# KiCad board EVT-PCB.kicad_pcb (continued)
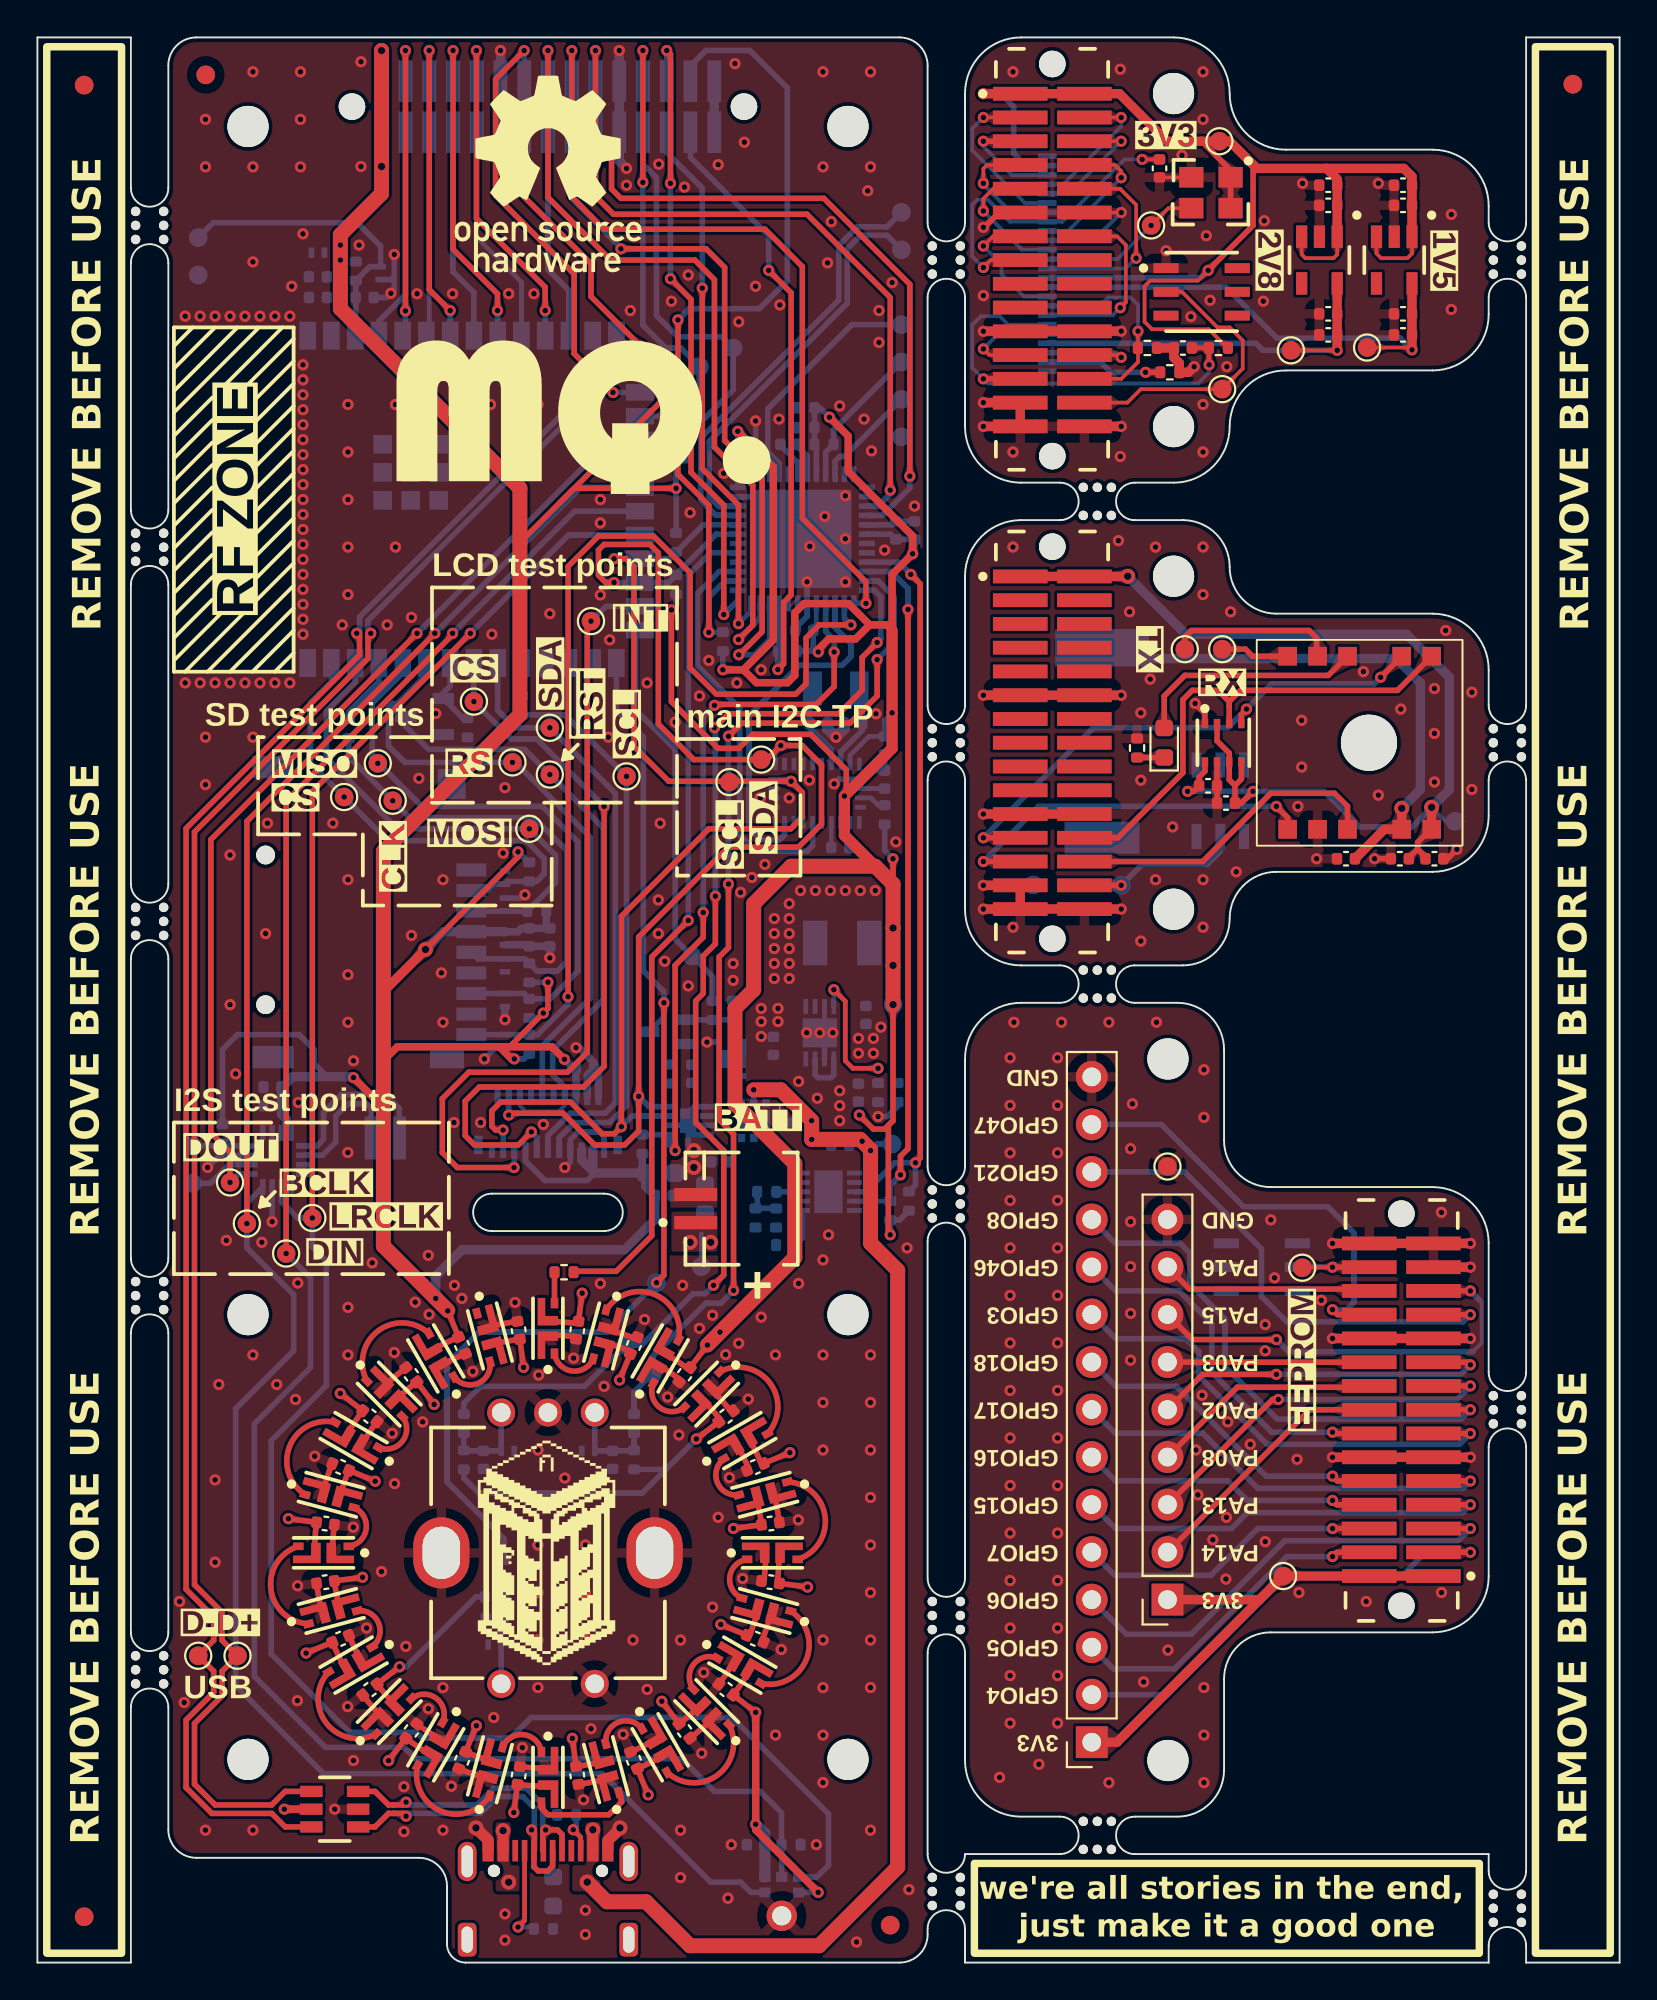
[diagram p0: board, top side]
## Routing (per net, layer and track width the routed paths; a pad name or vN(x,y) marks a point on that pad's centre or on a via; arc(x,y) is an arc through that point) (continued)
GND: length 192.6
  Top w0.2: 50.56,82.11 50.55,82.1 ; X1101.2 61.69,95.42 C1101.2 ; 51.34,93.54 J1101.11 ; J1101.12 v2(57.95,93.54) ; 58,93.55 57.99,93.54
  Top w0.3: 15.18,18.91 arc(15.04,19.59) C521.2 ; 15.31,25.37 arc(15.52,26.03) C523.2 ; 15.78,21.65 arc(15.8,22.53) C522.2 ; 17.25,27.53 arc(17.68,28.24) C524.2 ; 17.45,15.93 arc(17.02,16.69) C520.2 ; 18.3,13.25 arc(17.83,13.77) C519.2 ; 18.65,30.9 arc(19.17,31.37) C525.2 ; 21.33,31.75 arc(22.09,32.18) C526.2 ; 21.75,11.8 arc(21,12.25) C518.2 ; 23.83,9.91 arc(23.17,10.12) C517.2 ; 24.31,34.02 arc(24.99,34.16) C527.2 ; D501.1 arc(27.94,33.52) 28.82,33.44 ; 27.55,10.38 arc(26.67,10.4) C516.2 ; 30.29,9.78 arc(29.61,9.64) C515.2 ; D502.1 arc(31.39,33.57) 32.03,33.32 ; D503.1 arc(33.66,31.65) 34.39,31.14 ; 33.27,12.05 arc(32.51,11.62) C514.2 ; 35.95,12.9 arc(35.43,12.43) C513.2 ; D504.1 arc(36.68,29.96) 37.11,29.43 ; D505.1 arc(37.69,27.16) 38.06,26.36 ; 37.4,16.35 arc(36.95,15.6) C512.2 ; D507.1 arc(38.92,21.26) 38.84,20.38 ; D508.1 arc(38.97,17.81) 38.72,17.17 ; 39.39,24.99 arc(39.55,24.26) C509.2 ; 62.42,66.23 62.42,66.78 v2(61.9,67.3) ; v2(71.5,59) C1202.2 ; v2(75.9,59.5) 75.4,59 C1201.2 ; 68.4,60.58 68.4,60.45 ; v2(50.58,92.75) 50.63,92.75 51.42,93.54 J1101.11 ; 63.07,64.18 C1206.2 ; v2(50.58,87.19) J1101.21
  Top w0.5: J1201.22 J1201.21 v2(50.58,61.39) ; v2(61.85,85.3) 61.55,85 R1103.1 61.06,85.49 60.77,85.78 C1106.2 R1102.1 ; J1101.30 57.94,82.11 ; 57.94,82.11 v2(57.95,82.11) ; 57.94,82.11 57.95,82.1 ; v2(76.62,33.36) v2(69.25,33.36) ; v2(50.58,83.38) J1101.27 J1101.29 v2(50.58,82.11) ; v2(76.62,27.01) v2(69.25,27.01) ; J1201.29 J1201.27 v2(50.58,57.58) ; v2(50.58,87.19) 50.59,87.2 v2(57.95,87.2) ; v2(76.62,38.44) v2(69.25,38.44) ; v2(57.95,67.74) v2(50.58,67.74) ; v2(50.58,56.31) v2(57.95,56.31) ; J1303.27 v2(76.62,37.17) ; 57.94,56.31 57.95,56.3
  Top w0.6: J301.A1_B12 24.1,6.55 v1(23.45,7.2) ; v1(31.15,7.2) 31.15,7.16 30.5,6.51 J301.B1_A12
  Bottom w0.2: U1102.15 56.46,92.05 v2(57.95,93.54)
  Bottom w0.254: v2(41.83,49.7) 42.08,49.95 U302.3 ; 34.55,44.75 U401.9
  Bottom w0.3: 40.67,71.2 40.67,71.47 41.15,71.95 IC501.18 v2(41.15,73.8) ; C529.2 38.41,82.39 v2(38.4,82.4) ; 19.08,90.1 19.08,89.41 v2(18.9,89.22) 18.67,89 C203.2 ; 19.08,90.1 v2(19.08,91.3) ; 19.08,90.1 18.93,89.95 D202.2 ; U401.1 35.12,45.75 34.8,45.43 U401.9 ; v1(35.1,43.4) 34.8,43.7 U401.9 ; v2(28.2,42.5) 28.5,42.8 J701.7 28.5,43.99 28.91,44.4 30.05,44.4 30.3,44.15 J701.1 ; D902.2 24.5,48.9 v2(23.9,48.3) ; IC501.5 45.72,76.85 C502.2 46.85,77.03 ; IC501.35 38.65,78.35 IC501.49 ; v2(42.6,63) 42.85,63.25 U801.2 44.18,63.25 44.64,63.71 C803.2 C802.2 ; IC501.42 40.65,80.18 39.73,81.1 C528.2 ; U1001.3 9.75,43.15 v2(9.1,42.5) ; U401.4 35.07,44.25 34.8,44.53 U401.9 ; U401.6 34.55,44.75 ; v2(26.07,57.07) 25.89,56.9 D904.2 ; v2(12.55,39.6) U1001.15 ; Q301.S1 36.44,49.2 v2(35.8,49.2) ; v2(44.95,45.22) 45.45,45.22 45.95,45.72 45.95,45.99 ; 42.08,48.3 42.08,49.45 v2(41.83,49.7)
  Bottom w0.4: v2(28.8,48.9) 28.97,48.9 29.76,48.11 C703.2 ; J701.4 29.4,47.44 C703.2 ; 25,51.01 v2(25,50.4) ; J701.2 30,47.56 C703.2 ; v2(27.4,53.7) C901.2 C902.2 26.22,54.4 D901.2
  Bottom w0.5: v2(24.76,102.2) J101.12 J101.11 ; v2(31.5,95.9) 31.11,96.29 J101.21 J101.22 v2(31.11,102.2) ; J101.30 J101.29
  Bottom w0.6: 42.25,66.3 42.25,65.95 v2(42.7,65.5) 43.14,65.95 43.14,66.3
  vias: v1(35.1,42.5) v2(7.6,19.3) v2(7.9,88) v2(7.9,68.4) v2(7.85,13.9) v2(8.7,88) v2(8.7,68.4) v2(8.98,98.52) v2(8.98,95.98) v2(8.98,65.5) v2(8.98,62.96) v2(8.98,7.08) v2(9.5,88) v2(9.5,68.4) v2(9.5,25.8) v2(9.5,21.4) v2(9.7,30.9) v2(10.1,38.6) v2(10.3,88) v2(10.3,68.4) v2(10.3,59.2) v2(10.3,51.2) v2(10.6,47.5) v2(11.1,88) v2(11.1,68.4) v2(11.52,101.06) v2(11.52,95.98) v2(11.52,90.9) v2(11.52,65.5) v2(11.52,32.48) v2(11.52,7.08) v2(11.9,88) v2(11.9,68.4) v2(12,38.5) v2(12.2,55) v2(12.3,60.9) v2(12.7,88) v2(12.7,68.4) v2(12.8,30.9) v2(13.5,88) v2(13.5,68.4) v2(13.6,89.6) v2(13.8,30.1) v2(13.95,45.97) v2(13.92,36.32) v2(13.92,20.14) v2(13.9,14) v2(14.06,101.06) v2(14.06,98.52) v2(14.06,95.98) v2(14.2,92.4) v2(14.2,85.4) v2(14.2,84.6) v2(14.2,83.8) v2(14.2,83) v2(14.2,82.2) v2(14.2,81.4) v2(14.2,80.6) v2(14.2,79.8) v2(14.2,79) v2(14.2,78.2) v2(14.2,77.4) v2(14.2,76.6) v2(14.2,75.8) v2(14.2,75) v2(14.2,74.2) v2(14.2,73.4) v2(14.2,72.6) v2(14.2,71.8) v2(14.2,71) v2(14.83,27.07) v2(15.8,60.9) v2(15.9,8.2) v2(16.3,71.5) v2(16.6,83.28) v2(16.6,80.74) v2(16.6,78.2) v2(16.6,75.66) v2(16.6,73.12) v2(16.6,57.88) v2(16.6,52.8) v2(16.6,50.26) v2(16.6,43.3) v2(16.6,35.02) v2(16.6,32.48) v2(16.59,13.68) v2(16.9,48.2) v2(16.89,23.27) v2(16.9,10.8) v2(17.2,91.8) v2(17.3,101.6) v2(17.3,96) v2(17.6,17.88) v2(17.9,37.4) v2(18.4,20.9) v2(18.7,71.5) v2(18.97,28.29) v2(19.14,83.28) v2(19.14,75.66) v2(19.08,32.61) v2(19.1,25.6) v2(19.6,9.4) v2(19.6,7) v2(19.7,16.9) v2(20,71.9) v2(20,54.9) v2(20.2,35.3) v2(20.3,89.2) v2(20.4,63.3) v2(20.6,28.9) v2(20.9,37.8) v2(20.94,34.65) v2(20.91,13.57) v2(21.3,66.76) v2(21.6,52.9) v2(21.69,57.88) v2(21.69,50.26) v2(21.69,14.7) v2(21.69,7.08) v2(22.13,9.43) v2(22.2,89.2) v2(22.28,44.9) v2(22.3,36.2) v2(22.7,35.5) v2(23.2,79.65) v2(23.28,31.6) v2(23.7,44.9) v2(24.22,83.28) v2(24.3,71) v2(24.4,13.1) v2(24.9,59.3) v2(25,62.8) v2(25,2.6) v2(25,1.2) v2(25.2,95.9) v2(25.2,94.9) v2(25.2,89.2) v2(25.54,35.28) v2(25.93,11.49) v2(26.55,89.2) v2(26.76,83.28) v2(26.8,31.4) v2(26.76,27.4) v2(26.76,22.32) v2(26.76,19.78) v2(26.76,17.24) v2(26.76,14.7) v2(27.05,44.8) v2(27.4,72.1) v2(28.2,25.9) v2(28.67,32.31) v2(29.2,95.3) v2(29.2,8.7) v2(29.31,22.32) v2(29.31,19.78) v2(29.31,17.24) v2(29.3,2.8) v2(29.3,1.5) v2(29.6,12.5) v2(30.1,78.2) v2(30.1,76.95) v2(30.1,73.1) v2(30.1,36.3) v2(30.3,30.8) v2(30.5,79.5) v2(30.52,65.5) v2(30.6,70.7) v2(31.32,12.2) v2(31.5,95) v2(31.7,88.3) v2(31.84,17.24) v2(32.47,34.37) v2(32.6,68.4) v2(32.6,14.6) v2(33.22,96.12) v2(33.2,56.8) v2(33.2,55) v2(33.3,60.9) v2(33.5,79.9) v2(33.54,53.52) v2(33.6,84.8) v2(33.7,30.23) v2(33.9,88.8) v2(34.1,66.3) v2(34.3,28.2) v2(34.38,17.24) v2(34.38,7.08) v2(34.38,4.54) v2(34.5,36.2) v2(34.6,94.9) v2(34.8,90.2) v2(34.8,52.2) v2(34.9,77.5) v2(35.4,67.7) v2(35.4,33.9) v2(35.52,11.19) v2(35.63,15.51) v2(35.9,69.6) v2(36.1,34.6) v2(36.1,19) v2(36.4,96.1) v2(36.4,23.8) v2(36.7,79.6) v2(36.8,32.5) v2(36.92,3.44) v2(37,25.92) v2(37.1,6.3) v2(37.2,53.4) v2(37.2,52.5) v2(37.3,101.5) v2(37.4,68.4) v2(37.5,87.7) v2(37.5,33.1) v2(37.6,57.2) v2(37.71,20.53) v2(37.8,97.3) v2(38.01,30.12) v2(38.2,58) v2(38.4,89.6) v2(38.7,69.1) v2(38.65,62.25) v2(38.7,51) v2(38.7,50.3) v2(38.7,49.5) v2(38.7,34.5) v2(38.9,58.7) v2(39.4,55.8) v2(39.4,55) v2(39.4,54.2) v2(39.4,53.4) v2(39.4,52.6) v2(39.47,32.48) v2(39.47,12.16) v2(39.6,51) v2(39.6,50.3) v2(39.7,88.6) v2(39.65,82.5) v2(39.77,16.73) v2(40.2,62.25) v2(40.2,56.6) v2(40.2,55.8) v2(40.2,55) v2(40.2,54.2) v2(40.2,53.4) v2(40.2,52.6) v2(40.7,47.1) v2(40.7,36.3) v2(40.68,23.66) v2(40.8,57.3) v2(41.13,49.7) v2(41.3,75.7) v2(41.28,63.2) v2(41.6,57.3) v2(41.7,46.2) v2(41.65,6.3) v2(42,101.06) v2(42,95.98) v2(42,37.56) v2(42,32.48) v2(42,29.94) v2(42,27.4) v2(42,17.24) v2(42,14.7) v2(42,12.16) v2(42,9.62) v2(42.1,77.3) v2(42.25,90.85) v2(42.3,38.9) v2(42.45,93.05) v2(42.4,57.3) v2(42.53,49.7) v2(42.9,83.2) v2(42.9,46.6) v2(42.9,45.8) v2(42.9,45) v2(43.2,78.4) v2(43.2,76.1) v2(43.2,73.8) v2(43.2,57.3) v2(43.8,1.1) v2(43.9,49.4) v2(43.9,48.6) v2(44,57.3) v2(44.2,82.5) v2(44.4,94.7) v2(44.54,101.06) v2(44.54,95.98) v2(44.54,32.48) v2(44.54,29.94) v2(44.54,27.4) v2(44.54,24.86) v2(44.54,22.32) v2(44.54,19.78) v2(44.54,17.24) v2(44.54,14.7) v2(44.54,7.08) v2(44.6,80.8) v2(44.7,49.4) v2(44.7,48.6) v2(44.84,66.75) v2(44.8,57.3) v2(45,88.3) v2(45,86.6) v2(45.1,50) v2(45.3,75.5) v2(45.7,89.8) v2(45.9,59.9) v2(46.5,38.2) v2(46.6,3.9) v2(46.9,77.85) v2(50.58,89.1) v2(51.45,9.9) v2(52.01,48.36) v2(52.01,45.82) v2(52.01,43.28) v2(52.01,40.74) v2(52.01,38.2) v2(52.01,35.66) v2(52.01,33.12) v2(52.01,30.58) v2(52.01,28.04) v2(52.01,25.5) v2(52.01,22.96) v2(52.01,20.42) v2(52.01,17.88) v2(52.01,15.34) v2(52.01,12.8) v2(52.16,101.06) v2(52.16,80.74) v2(52.16,75.66) v2(52.16,55.34) v2(52.22,50.26) v2(53.55,10.6) v2(54.55,48.36) v2(54.55,45.82) v2(54.55,43.28) v2(54.55,40.74) v2(54.55,38.2) v2(54.55,35.66) v2(54.55,33.12) v2(54.55,30.58) v2(54.55,28.04) v2(54.55,25.5) v2(54.55,22.96) v2(54.55,20.42) v2(54.55,17.88) v2(54.55,15.34) v2(54.55,12.8) v2(54.75,50.26) v2(57.29,50.26) v2(57.29,9.62) v2(57.8,76) v2(57.9,101.2) v2(57.9,80.5) v2(58.4,72.2) v2(58.45,43.5) v2(58.45,39.6) v2(58.45,37.2) v2(58.45,34.7) v2(58.45,32.2) v2(58.55,45.9) v2(59,66.8) v2(59,63.2) v2(59,54.6) v2(59.15,15) v2(59.5,68.6) v2(59.78,75.66) v2(59.78,57.88) v2(59.84,50.26) v2(60.35,91.5) v2(60.45,16.7) v2(60.7,60.7) v2(61.2,96.6) v2(61.68,87.98) v2(61.95,27.4) v2(62.05,25) v2(62.32,101.06) v2(62.32,98.52) v2(62.32,83.28) v2(62.32,80.74) v2(62.32,75.66) v2(62.32,73.12) v2(62.32,57.88) v2(62.32,55.34) v2(62.28,30.33) v2(62.38,47.72) v2(62.38,45.18) v2(62.38,14.7) v2(62.38,12.16) v2(62.38,9.62) v2(62.5,92.3) v2(62.7,88.85) v2(62.85,22.6) v2(63.55,20.5) v2(63.6,85.3) v2(63.58,23.8) v2(63.65,28.9) v2(63.8,72.2) v2(64.1,58.3) v2(64.85,27.7) v2(65.55,88.8) v2(65.6,93.1) v2(65.65,34.1) v2(65.65,32.7) v2(65.65,22.5) v2(65.95,39.7) v2(66.15,36.6) v2(67.35,26.9) v2(67.4,61.8) v2(67.45,19.78) v2(67.6,66.4) v2(67.6,63.9) v2(67.65,95.1) v2(68.4,59) v2(68.65,35.4) v2(70.9,69) v2(71.05,19.3) v2(71.7,95.1) v2(71.7,62.4) v2(72.9,67) v2(74.7,68.1) v2(74.7,65.7) v2(74.7,63.1) v2(75.07,40.1) v2(75.07,19.78) v2(75.3,71.2) v2(75.6,93.44) v2(75.6,88.36) v2(76.7,67.9) v2(76.7,62.7)
GNDA: length 6.3
  Top w0.3: R1103.2 v2(59.25,85)
  Bottom w0.3: U1102.2 56.85,85.55 57.4,85 v2(59.25,85)
VBUS: length 3.8
  Bottom w0.3: 41.58,48.3 41.58,47.45 41.73,47.3 42.43,47.3 42.58,47.45 42.58,48.3 ; Q301.D2 37.75,48.48 Q301.D2
+BATT: length 1.8
  Bottom w0.254: TP401.1 35.5,38.95
  vias: v1(34.9,38.5) v1(36,38.5)
/BATM_INT: length 38.5
  Top w0.3: v2(36.2,67.2) 36.25,67.25 41.65,67.25 42.6,68.2 v2(42.6,70.05) ; v2(35.6,56.13) 35.6,54.8 34.1,53.3 v2(34.1,43.4)
  Bottom w0.3: v2(42.6,70.05) 42.6,70.69 42.15,71.14 IC501.16 ; v2(36.2,67.2) 35.6,66.6 v2(35.6,56.13) ; v2(34.1,43.4) 33.8,43.7 U401.5 R402.2
/BATM_STAT1: length 40
  Top w0.3: v2(46.7,74.2) 47.2,73.7 47.2,43 v2(46.95,42.75)
  Bottom w0.3: IC501.9 46.05,74.85 v2(46.7,74.2) ; R403.2 46.95,41.56 v2(46.95,42.75) 45.85,42.75 44.3,41.2 U402.3
/BATM_STAT2: length 37.6
  Top w0.3: v2(46.55,72.32) 46.55,43.5 46.15,43.1 v2(46.15,42.1)
  Bottom w0.25: U402.4 R404.2
  Bottom w0.3: v2(46.55,72.32) 46.55,73.45 45.65,74.35 IC501.10 ; R404.2 45.6,41.55 v2(46.15,42.1)
/Camera Module/DATA2: length 9.3
  Top w0.2: J1101.03 v2(50.58,98.62)
  Bottom w0.2: U1102.19 52.8,94.05 49.98,96.87 49.98,98.02 v2(50.58,98.62) ; 50.75,98.62 50.57,98.62
/Camera Module/DATA3: length 7.7
  Top w0.2: J1101.04 v2(57.95,98.62) ; 57.94,98.62 57.95,98.62
  Bottom w0.2: v2(57.95,98.62) 57.95,98.15 54.85,95.05 U1102.21
/Camera Module/DATA4: length 6.3
  Top w0.3: v2(50.58,97.35) J1101.05
  Bottom w0.2: v2(50.58,97.35) 50.58,97.07 52.1,95.55 U1102.22
/Camera Module/DATA5: length 7.1
  Top w0.2: J1101.06 v2(57.95,97.35)
  Bottom w0.2: U1102.20 55.15,94.55 v2(57.95,97.35)
/Camera Module/DATA6: length 7.1
  Top w0.2: 50.58,95.2 v2(50.58,95.1) 50.58,95.88 50.78,96.08 J1101.07
  Bottom w0.2: 50.57,95.2 50.57,95.05 52.06,93.55 U1102.18
/Camera Module/DATA7: length 7.6
  Top w0.2: J1101.08 57.62,96.08 57.95,95.75 v2(57.95,95.4)
  Bottom w0.2: v2(57.95,95.4) 55.1,92.55 U1102.16
/Camera Module/DATA8: length 8.4
  Top w0.2: v2(50.58,93.62) 50.58,94.28 51.11,94.81 J1101.09 51.29,94.81
  Bottom w0.2: U1102.14 52.65,91.55 v2(50.58,93.62) 50.57,93.62
/Camera Module/DATA9: length 11
  Top w0.2: J1101.10 57.89,94.81 58.75,93.95 v2(58.75,91.1)
  Bottom w0.2: U1102.12 58.2,90.55 v2(58.75,91.1)
/Camera Module/EEPROM: length 17.2
  Top w0.2: U1104.2 61.2,89.3 63.1,87.4 63.75,87.4 64.45,86.7 64.45,85.2 TP1108.1 59,84.1 58.28,83.38 J1101.28 57.33,83.38
/Camera Module/HSYNC: length 7
  Top w0.2: J1101.13 51.1,92.27 v2(50.58,91.75)
  Bottom w0.2: v2(50.58,91.75) 51.55,90.78 51.55,90.25 52.75,89.05 U1102.9
/Camera Module/PCLK: length 17.7
  Top w0.2: v2(59.07,96.38) C1101.1 ; v2(50.58,90.6) 50.98,91 J1101.15
  Bottom w0.2: v2(50.58,90.6) 49.98,91.2 49.98,93.95 50.25,94.22 50.83,94.22 52,93.05 54.8,93.05 58.13,96.38 v2(59.07,96.38)
/Camera Module/PWDN: length 11.5
  Top w0.2: v2(58.85,87.2) 58.85,85.55 57.95,84.65 J1101.26
  Bottom w0.2: v2(58.85,87.2) 58.85,88.6 58.45,89 57.25,89 56.8,88.55 U1102.8
/Camera Module/SCL: length 5.9
  Top w0.2: J1101.23 50.91,85.92 v2(50.58,86.25)
  Bottom w0.2: 50.55,86.25 v2(50.58,86.25) 51.38,87.05 U1102.5
/Camera Module/SDA: length 6.1
  Top w0.2: J1101.24 57.83,85.92 v2(57.95,85.8)
  Bottom w0.2: U1102.3 57.7,86.05 v2(57.95,85.8)
/Camera Module/VSYNC: length 10
  Top w0.2: v2(57.9,88.45) 58.2,88.75 58.2,91.8 57.73,92.27 J1101.14
  Bottom w0.2: v2(57.9,88.45) 57.5,88.05 U1102.7
/Camera Module/~{RESET}: length 24.4
  Top w0.254: R1101.2 62.65,86.3 ; R1101.2 C1106.1 ; R1101.2 62.64,85.41 v2(62.65,85.4)
  Top w0.3: v2(50.58,84.65) J1101.25
  Bottom w0.2: v2(50.58,84.65) 50.73,84.5 ; v2(50.58,84.65) 50.83,84.4 62.05,84.4 62.65,85 v2(62.65,85.4) ; v2(50.58,84.65) 49.98,85.25 49.98,87.53 50.45,88 51.45,88 51.9,87.55 U1102.6
/Dev Module/ATSAMD_IO11: length 13.9
  Top w0.3: J1303.16 68.03,29.55 J1302.2
/Dev Module/ATSAMD_IO12: length 20.8
  Top w0.3: J1303.17 v2(76.62,30.82) ; J1302.3 66.04,30.1 v2(66.35,30.1)
  Bottom w0.3: v2(76.62,30.82) 75.9,30.1 v2(66.35,30.1)
/Dev Module/ATSAMD_IO13: length 12.4
  Top w0.3: J1303.18 71.15,30.75 64.16,30.75 J1302.4
/Dev Module/ATSAMD_IO14: length 19.2
  Top w0.3: J1302.5 62.31,31.44 v2(66.25,31.44) ; v2(76.62,31.95) 76.48,32.09 J1303.19
  Bottom w0.3: v2(66.25,31.44) 76.11,31.44 v2(76.62,31.95)
/Dev Module/ATSAMD_IO15: length 10.8
  Top w0.3: J1303.20 60.44,32.09 J1302.6
/Dev Module/ATSAMD_IO16: length 22.8
  Top w0.3: J1302.7 61.76,33.3 v2(66.25,33.3) ; J1303.25 v2(76.62,35.9)
  Bottom w0.2: 77.12,35.4 77.22,35.3 77.22,33.11 76.76,32.65
  Bottom w0.3: v2(76.62,35.9) 77.12,35.4 ; 76.76,32.65 66.9,32.65 v2(66.25,33.3)
/Dev Module/ATSAMD_IO17: length 11.3
  Top w0.3: J1302.8 61.6,36 71.12,36 J1303.26
/Dev Module/EEPROM: length 5.5
  Top w0.2: v2(69.25,37.17) 67.63,37.17
  Top w0.3: J1303.28 v2(69.25,37.17)
  Bottom w0.3: v2(69.25,37.17) 69.25,37.17 U1301.2
/Dev Module/ESP32_IO0: length 25.4
  Top w0.3: J1303.03 v2(76.62,21.93)
  Bottom w0.3: v2(76.62,21.93) 74.22,21.93 72.99,20.7 66.8,20.7 60.42,14.32 J1304.2
/Dev Module/ESP32_IO1: length 17.9
  Top w0.3: v2(69.25,21.7) 69.48,21.93 J1303.04
  Bottom w0.3: v2(69.25,21.7) 66.8,21.7 60.8,15.7 57.53,15.7 J1304.3
/Dev Module/ESP32_IO2: length 25.3
  Top w0.3: J1303.05 v2(76.62,23.2)
  Bottom w0.3: J1304.4 58.22,17.55 61.7,17.55 66.7,22.55 75.97,22.55 v2(76.62,23.2)
/Dev Module/ESP32_IO3: length 16.4
  Top w0.3: 69.25,23.15 v2(69.25,23.2) J1303.06
  Bottom w0.3: v2(69.25,23.2) 65.25,23.2 62.75,20.7 57.61,20.7 J1304.5
/Dev Module/ESP32_IO4: length 23.3
  Top w0.3: v2(76.62,24.47) J1303.07
  Bottom w0.3: v2(76.62,24.47) 76.2,24.05 64.7,24.05 63.85,23.2 57.66,23.2 J1304.6
/Dev Module/ESP32_IO5: length 15.9
  Top w0.3: v2(69.25,24.7) 69.48,24.47 J1303.08
  Bottom w0.3: v2(69.25,24.7) 64.7,24.7 63.65,25.75 57.64,25.75 J1304.7
/Dev Module/ESP32_IO6: length 24.1
  Top w0.3: J1303.09 v2(76.62,25.74)
  Bottom w0.3: J1304.8 57.63,28.3 62.31,28.3 65.26,25.35 76.23,25.35 v2(76.62,25.74)
/Dev Module/ESP32_IO7: length 17.5
  Top w0.3: v2(69.25,26) 69.51,25.74 J1303.10
  Bottom w0.3: J1304.9 57.67,30.8 60.9,30.8 65.7,26 v2(69.25,26)
/Dev Module/ESP32_IO8: length 26.1
  Top w0.3: J1303.13 v2(76.62,28.28)
  Bottom w0.3: J1304.10 57.66,33.35 61.4,33.35 62.1,32.65 62.1,31.35 65.75,27.7 76.04,27.7 v2(76.62,28.28)
/Dev Module/ESP32_IO9: length 20.1
  Top w0.3: J1303.14 69.32,28.28 v2(69.25,28.35)
  Bottom w0.3: J1304.11 57.66,35.9 61.05,35.9 62.8,34.15 62.8,31.55 66,28.35 v2(69.25,28.35)
/Dev Module/ESP32_IO10: length 29.3
  Top w0.3: J1303.15 v2(76.62,29.55)
  Bottom w0.3: v2(76.62,29.55) 76.12,29.05 66.3,29.05 63.5,31.85 63.5,34.4 61.62,36.27 61.62,37.92 61.1,38.45 57.64,38.45 J1304.12
/Dev Module/SCL: length 27.2
  Top w0.3: J1303.23 v2(76.62,34.63)
  Bottom w0.3: v2(76.62,34.63) 76.24,34.25 66.8,34.25 65.45,35.6 65.45,38.15 61.34,42.26 J1304.13
/Dev Module/SDA: length 23.5
  Top w0.3: J1303.24 69.52,34.63 v2(69.25,34.9)
  Bottom w0.3: J1304.14 60.09,44.8 64.49,40.4 69,40.4 70.4,39 70.4,35.3 70,34.9 v2(69.25,34.9)
/ESP32-S3-WROOM-2/GPIO38: length 1.8
  Bottom w0.3: U201.31 25.88,67.73 R109.2
/ESP32-S3-WROOM-2/GPIO43/TXD0: length 3.7
  Bottom w0.3: U201.37 18.26,68.47 16.65,66.86 R110.2
/ESP32-S3-WROOM-2/MCU_RST: length 16.3
  Bottom w0.3: TP201.1 9.4,93 17.1,93 18.35,91.75 D202.1 17.77,90.65 R201.2 17.03,87 U201.3
/I2S_BCLK: length 112.1
  Top w0.3: v2(11.2,39.5) 11.2,61 v2(21.25,71.05)
  Bottom w0.3: U201.20 29.04,78.84 v2(21.25,71.05) ; M601.4 38.15,3.75 37.6,4.3 36,4.3 30.2,10.1 15.3,10.1 10.6,14.8 10.6,29.6 13.7,32.7 13.7,35.7 11.2,38.2 v2(11.2,39.5) 11.2,40.6 U1001.16
/I2S_DIN: length 108.6
  Top w0.3: v2(22.2,71.05) 22.2,70.97 13.3,62.07 v2(13.3,37.9)
  Bottom w0.3: M601.6 39.8,5.99 ; U201.21 28.72,77.57 v2(22.2,71.05) ; 39.79,6 39.79,8.01 38.65,9.15 36.2,9.15 34.46,10.89 20.21,10.89 19.6,11.5 15.4,11.5 11.6,15.3 11.6,28.8 14.6,31.8 14.6,36.6 v2(13.3,37.9) ; 39.8,6.29 R601.1
/I2S_DOUT: length 51.2
  Top w0.3: v2(20.3,71.05) 9.27,60.02 9.27,44.35 10.3,43.32 v2(10.3,41.7)
  Bottom w0.3: U1001.1 10.75,42.15 v2(10.3,41.7) ; v2(20.3,71.05) 29.36,80.11 U201.19
/I2S_LRCLK: length 112.5
  Top w0.3: v2(23.15,71.05) 14.7,62.6 v2(14.7,39.8)
  Bottom w0.3: U201.22 28.41,76.3 v2(23.15,71.05) ; M601.1 41.67,4.57 42.3,5.2 42.3,7.95 37.15,13.1 26.4,13.1 25.3,12 20.6,12 20.3,12.3 16.7,12.3 12.5,16.5 12.5,27.9 15.45,30.85 15.45,37.5 14.7,38.25 v2(14.7,39.8) 13.92,39.8 13.05,40.67 U1001.14
/IMU/IMU_XIN: length 4.8
  Bottom w0.3: U801.27 42.95,64.7 44.1,65.86 C804.1 44.1,67.94 X801.1 ; 44.1,68.04 43.95,68.2
/IMU/IMU_XOUT: length 4.6
  Bottom w0.3: U801.26 42.45,64.83 41.29,65.99 C805.1 41.29,67.94 X801.2
/IMU_INT: length 18.9
  Bottom w0.3: U801.14 39.95,60.27 39.68,60 38.7,60 38.05,60.65 38.05,66.65 40.75,69.35 43.05,69.35 43.5,69.8 43.5,70.5 42.65,71.35 IC501.15
/IMU_RST: length 22.1
  Bottom w0.3: IC501.27 36.46,74.35 35.3,73.19 35.3,69.3 37.55,67.05 37.55,60.27 38.42,59.4 41.15,59.4 41.45,59.7 U801.11
/LCD_CS: length 40.4
  Top w0.3: v2(26.41,44.4) 25.71,43.7 23.38,43.7 22.88,44.2 22.88,46.05 23.62,46.8 29.2,46.8 30.3,47.9 v2(30.3,61.8)
  Bottom w0.3: J701.13 26.7,44.11 v2(26.41,44.4) ; v2(30.3,61.8) 26.7,65.4 25.34,65.4 v2(23.34,67.4) U201.33
/LCD_RESET: length 3.9
  Bottom w0.3: 21.4,67.56 22.07,68.23 U201.34 ; Q101.G 22.75,66.51 R105.1
/LCD_RS: length 33.3
  Bottom w0.3: 20.7,69.36 U201.35 20.8,68.84 19.26,67.3 19,67.3 18.78,67.07 18.78,65.02 19.65,64.15 v2(25.4,64.15) 25.56,64.15 29.55,60.16 29.55,51.55 27,49 J701.12
/LCD_SCL: length 29.5
  Bottom w0.3: J701.9 27.9,44.09 28.71,44.9 30.6,44.9 31.5,45.8 v2(31.5,63.4) 28.21,66.69 R109.1
/LCD_SDA: length 32.3
  Bottom w0.3: U201.32 24.61,66.94 25.55,66 v2(27.4,66) 30.9,62.5 30.9,45.95 30.35,45.4 28.5,45.4 27.3,44.2 J701.11
/LEAT/D+: length 21.6
  Bottom w0.3: TP503.1 45.42,92.32 44.03,92.32 43.3,91.6 43.3,88.68 35.92,81.31 35.92,78.34 36.44,77.82 36.79,77.82 36.81,77.85 IC501.34
/LEAT/D-: length 23.1
  Bottom w0.3: TP502.1 45.42,92.77 43.84,92.77 42.85,91.79 42.85,88.87 35.47,81.49 35.47,78.16 36.26,77.38 36.79,77.38 36.81,77.35 IC501.33
/LEAT/LEAT_ENC_A: length 55.8
  Top w0.3: v2(36.95,65.55) 37.65,66.25 43.45,66.25 44.9,67.7 v2(44.9,69.64) ; v2(37.22,35.92) 37.22,44.27 36.45,45.05 36.45,53.75 36.95,54.25 v2(36.95,57.65)
  Bottom w0.3: v2(37.22,35.92) 36.55,35.25 35.75,35.25 32.9,32.4 TP506.1 31.9,30.5 R504.2 ; v2(44.9,69.64) 45.8,70.54 45.8,73.01 44.96,73.85 IC501.11 ; v2(36.95,57.65) v2(36.95,65.55)
/LEAT/LEAT_ENC_B: length 62.7
  Top w0.3: v2(36.2,66) 36.95,66.75 42.85,66.75 44.1,68 44.1,69.76 v2(44.9,70.56) ; v2(36.25,57) 36.25,54.45 35.6,53.8 35.6,51.8 35.2,51.4 35.2,44.9 36.7,43.4 36.7,36.75 v2(36.15,36.2)
  Bottom w0.3: v2(36.2,66) 36.25,65.95 v2(36.25,57) ; IC501.12 44.75,73.35 45.1,73 45.1,70.76 v2(44.9,70.56) ; v2(36.15,36.2) 35.7,35.75 35.05,35.75 32.3,33 TP507.1 29.25,30.8 23.7,30.8 22.8,29.9 R505.2
/LEAT/NEOPIXEL: length 44.2
  Top w0.3: v2(34.8,55.7) 32.85,53.75 32.85,38.85 30.95,36.95 28.72,36.95 R502.1
  Bottom w0.3: v2(34.8,55.7) 34.8,74.15 36,75.35 IC501.29
/LEAT/SWCLK: length 7.7
  Bottom w0.3: IC501.45 42.15,80.73 R501.2 42.57,81.92 TP504.1
/LEAT/SWDIO: length 5.6
  Bottom w0.3: TP505.1 43.15,80.5 42.9,80.5 42.65,80.25 IC501.46
/LEAT/~{RESET}: length 12.8
  Bottom w0.3: TP501.1 43.55,87.55 39.05,83.05 39.05,80.75 39.65,80.15 IC501.40
/LEAT_ENC_SW: length 61
  Top w0.3: v2(33.1,36.34) 33.5,36.74 v2(33.5,51.3)
  Bottom w0.3: v2(33.1,36.34) 30.46,33.7 23.6,33.7 21.9,32 21.9,25.7 24.95,22.65 R503.2 ; D302.K 33.5,50.55 v2(33.5,51.3) 33.5,51.9 32.4,53 32.4,65.5 30.96,66.94 U201.27
/MAIN_SCL: length 67.3
  Top w0.3: v2(30.84,75.03) 31.47,75.03 31.9,74.6 31.9,65 33.76,63.14 v2(40.3,63.14) 40.9,62.54 40.9,61.22 40.28,60.6 35.9,60.6 31.22,55.92 v2(31.22,44.68) 30.85,44.3 30.2,44.3 28.5,46 24.78,46 24.3,45.52 24.3,44.7 24.5,44.5 v2(24.9,44.5)
  Bottom w0.25: U801.19 40.19,63.25 v2(40.3,63.14)
  Bottom w0.3: IC501.32 35.61,76.85 R101.2 33.79,75.03 U201.23 ; v2(30.84,75.03) U201.23 ; U201.23 32.4,74.84 ; v2(24.9,44.5) J701.19 ; v2(31.22,44.68) 31.8,45.25 U401.7
/MAIN_SDA: length 70.7
  Top w0.3: v2(30.84,73.77) 30.38,73.77 30,74.15 30,75.5 30.3,75.8 32.75,75.8 33.2,75.35 33.2,66.2 35.1,64.3 39,64.3 v2(39.75,65.05) 40.9,65.05 41.92,64.02 41.92,60.85 40.7,59.62 36.95,59.62 32.15,54.82 v2(32.15,46.3) 32.15,44.45 31.4,43.7 29.8,43.7 28.1,45.4 25.3,45.4 v2(25.2,45.3)
  Bottom w0.25: U801.20 39.45,64.75 v2(39.75,65.05)
  Bottom w0.3: IC501.31 36.29,76.35 34.15,74.21 R102.2 33.75,73.77 U201.24 v2(30.84,73.77) ; U401.8 32.7,45.75 v2(32.15,46.3) ; v2(25.2,45.3) J701.18
/MAX98357/MAX_OUTN: length 7.2
  Bottom w0.3: J1001.2 17.85,45.65 17.6,45.9 16.6,45.9 15.95,45.25 15.95,43.85 15.25,43.15 U1001.10
/MAX98357/MAX_OUTP: length 9
  Bottom w0.3: J1001.1 19.35,45.65 18.6,46.4 16.25,46.4 15.3,45.45 15.3,44 14.95,43.65 U1001.9
/MAX98357/MAX_SD: length 3
  Bottom w0.3: U1001.4 TP1002.1
/MOD_DET: length 34.9
  Top w0.3: v2(39.59,69.11) 39.9,69.42 39.9,72.7 40.3,73.1 40.3,89.25 v2(39.1,90.45)
  Bottom w0.3: v2(39.1,90.45) 39.1,92.3 34.92,96.48 J101.27 ; 39.65,69.17 v2(39.59,69.11) R108.2 39.65,70.16 IC501.21
/MOD_EEPROM: length 46.1
  Top w0.3: v2(35.9,71.1) 35.9,77.9 34.25,79.55 v2(34.25,87.8)
  Bottom w0.3: J101.28 34.92,101.38 35.75,102.2 38.1,102.2 40.1,100.2 40.1,89.9 38.6,88.4 34.85,88.4 v2(34.25,87.8) ; R107.2 35.91,71.11 v2(35.9,71.1) 35.9,72.97 36.78,73.85 IC501.26
/MOD_IO0: length 11.5
  Bottom w0.3: U201.4 18.26,87.73 19.68,89.16 J101.03
/MOD_IO1: length 16.9
  Top w0.3: v2(19.68,88.28) v2(19.68,102.2)
  Bottom w0.3: v2(19.68,88.28) 19.68,87.11 U201.5 ; v2(19.68,102.2) J101.04
/MOD_IO2: length 10.9
  Bottom w0.254: J101.05 20.95,87.11 U201.6
/MOD_IO3: length 17.3
  Top w0.3: v2(20.95,102.2) 20.95,89.42 v2(22.07,88.3)
  Bottom w0.3: v2(22.07,88.3) U201.7 ; J101.06 v2(20.95,102.2)
/MOD_IO4: length 11.3
  Bottom w0.3: J101.07 22.22,90.38 23.34,89.26 U201.8
/MOD_IO5: length 17.9
  Top w0.3: v2(24.6,88.3) 24.6,89.2 22.22,91.57 v2(22.22,102.2)
  Bottom w0.3: U201.9 24.61,88.29 v2(24.6,88.3) ; v2(22.22,102.2) 22.22,102.19 J101.08
/MOD_IO6: length 11.9
  Bottom w0.254: U201.10 25.88,89.82 23.49,92.21 J101.09 23.5,97.82 ; 23.5,97.95 23.49,97.96
/MOD_IO7: length 18.4
  Top w0.3: v2(23.47,102.2) 23.47,93.22 27.15,89.55 v2(27.15,88.3)
  Bottom w0.3: J101.10 23.49,102.19 v2(23.47,102.2) ; U201.11 v2(27.15,88.3)
/MOD_IO8: length 15.2
  Top w0.3: v2(32.25,86.4) 29.6,89.05 29.6,90.8 26.03,94.38 v2(26.03,96.2)
  Bottom w0.3: U201.15 32.25,85.24 v2(32.25,86.4) ; v2(26.03,96.2) 26.03,96.2 J101.13
/MOD_IO9: length 24.6
  Top w0.3: v2(26.03,102.2) 24.5,100.67 24.5,94.45 28.7,90.25 28.7,86 v2(30.78,83.92)
  Bottom w0.3: J101.14 26.03,102.19 v2(26.03,102.2) ; v2(30.78,83.92) 30.78,83.92 U201.16
/MOD_IO10: length 11.3
  Bottom w0.3: J101.15 27.3,90.5 28.42,89.38 U201.12
/MOD_IO11: length 43
  Top w0.3: v2(27.3,102.2) 27.3,94.35 30.65,91 35.15,91 36.2,89.95 36.2,81 38.25,78.95 38.25,71.48 v2(37.49,70.71)
  Bottom w0.3: J101.16 v2(27.3,102.2) ; IC501.23 38.65,71.88 v2(37.49,70.71)
/MOD_IO12: length 39.3
  Top w0.3: v2(31.2,91.6) 35.75,91.6 36.75,90.6 36.75,81.35 38.75,79.35 38.75,71.13 37.52,69.9 v2(37.5,69.9)
  Bottom w0.3: IC501.22 39.15,70.7 38.35,69.9 v2(37.5,69.9) ; J101.17 28.57,94.28 31.2,91.65 v2(31.2,91.6)
/MOD_IO13: length 43.4
  Top w0.3: v2(28.57,102.2) 28.57,94.38 30.3,92.65 38.9,92.65 40.9,90.65 40.9,77.2 44.3,73.8 v2(44.3,72.65)
  Bottom w0.3: v2(44.3,72.65) IC501.13 ; v2(28.57,102.2) 28.57,102.19 J101.18
/MOD_IO14: length 33.4
  Top w0.3: v2(29.84,96.11) 29.84,94.41 30.8,93.45 41.15,93.45 45.6,89 v2(45.6,78.7)
  Bottom w0.3: v2(45.6,78.7) 45.6,78.5 44.95,77.85 IC501.3 ; v2(29.84,96.11) J101.19
/MOD_IO15: length 41.2
  Top w0.3: v2(46.65,79.45) 46.65,89.7 42.05,94.3 31.2,94.3 30.7,94.8 30.7,96.5 29.84,97.36 v2(29.84,102.2)
  Bottom w0.3: IC501.4 45.18,77.35 46.65,78.82 v2(46.65,79.45) ; 29.84,102.19 J101.20
/MOD_PWDN: length 34.7
  Top w0.3: v2(33.85,95.1) 33.85,102 v2(33.65,102.2) ; v2(36.7,72.05) 36.7,77.9 34.95,79.65 34.95,88.9 v2(33.85,90)
  Bottom w0.3: J101.26 v2(33.65,102.2) ; v2(36.7,72.05) 37.45,72.8 IC501.25 ; v2(33.85,90) v2(33.85,95.1)
/MOD_RESET: length 29.2
  Top w0.3: v2(35.55,89.5) 35.55,79.85 37.49,77.91 v2(37.49,71.56)
  Bottom w0.25: v2(37.49,71.56) 38.15,72.23 IC501.24
  Bottom w0.3: J101.25 33.65,96.75 35.55,94.85 v2(35.55,89.5)
/MOD_SCL: length 23.3
  Bottom w0.3: U201.18 34.53,81.38 R103.2 37.2,84.06 TP103.1 36.6,86.9 34.23,86.9 33.1,88.03 33.1,95.4 32.38,96.12 J101.23
/MOD_SDA: length 25.6
  Top w0.3: v2(32.38,95.15) v2(32.38,102.2)
  Bottom w0.3: v2(32.38,102.2) 32.38,102.19 J101.24 ; v2(32.38,95.15) 32.38,87.52 33.6,86.3 34.4,86.3 TP104.1 35.4,83.5 R104.2 34.54,82.66 U201.17
/Mountain Module/EEPROM: length 8.8
  Top w0.3: v2(57.95,57.58) J1201.28
  Bottom w0.3: v2(57.95,57.58) 59.07,58.7 62.55,58.7 63.25,59.4 U1203.2
/Mountain Module/SCL: length 29.2
  Top w0.3: v2(64.65,67) 64.38,66.72 U1202.4 ; 72.9,69.82 72.9,69.77 v2(71.82,68.7) ; J1201.23 v2(50.58,60.12)
  Bottom w0.3: v2(50.58,60.12) 56.46,66 63.65,66 v2(64.65,67) 66,68.35 71.47,68.35 v2(71.82,68.7)
/Mountain Module/SDA: length 26.6
  Top w0.3: 63.72,67.4 63.12,68 61.75,68 61.25,67.5 61.25,63.6 57.77,60.12 J1201.24 ; 63.72,67.4 64.32,68 72.72,68 U1201.1 74.5,69.82 ; 63.72,67.4 U1202.3
/Mountain Module/WAKEUP: length 17.1
  Top w0.3: J1201.26 62.3,58.85 65.95,62.5 69.35,62.5 70.05,61.8 70.05,60.62 70,60.57
/Mountain Module/~{RESET}: length 20.3
  Top w0.3: U1201.6 66.85,61.2 v2(66.25,61.8) ; v2(50.58,58.85) J1201.25
  Bottom w0.3: v2(50.58,58.85) 53.53,61.8 v2(66.25,61.8)
/PWR_CTRL: length 21.6
  Bottom w0.3: R308.2 36.1,52.7 34.1,54.7 34.1,64.85 32,66.95 32,70.88 32.21,71.09 U201.26
/SD_CARDDET: length 55.8
  Top w0.3: v2(28.37,51.63) 28.37,74.62 30,76.25 32.94,76.25 34.9,74.29 34.9,69.2 36.3,67.8 40.55,67.8 41.1,68.35 41.1,70.8 41.8,71.5 v2(43.5,71.5)
  Bottom w0.3: v2(43.5,71.5) 43.15,71.85 IC501.14 ; v2(28.37,51.63) 28.37,51.23 26.75,49.6 J901.CD1
/SD_CLK: length 26.4
  Bottom w0.3: J901.5 23.55,53.65 D903.1 26.06,53.65 R902.2 26.71,53 27.8,53 28.3,53.5 28.3,59.45 26.55,61.2 19.9,61.2 v2(19,62.1) 16.65,64.45 R110.1
/SD_CS: length 25.5
  Bottom w0.3: U201.39 15.72,68.47 14.6,67.35 14.6,64.1 v2(16.4,62.3) 18.73,59.97 26.13,59.97 27.1,59 27.1,58.2 26.69,57.79 R905.2 25.14,57.79 D906.1 24.45,57.65 24.09,57.3 J901.2
/SD_MISO: length 32.1
  Bottom w0.3: 23.29,51.71 J901.7 D905.1 26.01,51.8 R904.2 27.41,51.51 28.9,53 28.9,59.9 27,61.8 20.55,61.8 18.25,64.1 v2(18.2,64.1) 17.9,64.4 17.9,67.3 19.53,68.93 U201.36
/SD_MOSI: length 26.7
  Bottom w0.3: U201.38 16.99,68.44 15.45,66.9 15.45,64.4 19.25,60.6 v2(26.3,60.6) 27.7,59.2 27.7,57.71 R903.2 D904.1 J901.3
/Supply/BUCK_FB: length 6.9
  Top w0.254: v2(44.95,47.8) 43.6,47.8 43.2,48.2 43.2,51.38 v2(42.58,52)
  Bottom w0.254: U302.4 v2(42.58,52)
/Supply/USBC_D+: length 15.5
  Top w0.3: J301.A6 27.03,6 27.03,6.94 v2(27.17,7.09) 27.81,7.09 28.05,6.85 J301.B6 ; v2(19.71,8.57) 19.56,8.43 18.78,8.42 18.05,9.15 D301.3
  Bottom w0.3: v2(27.17,7.09) 27.03,7.24 27.03,8.44 26.14,9.32 24.41,9.32 23.51,8.42 19.86,8.42 v2(19.71,8.57)
/Supply/USBC_D-: length 15.8
  Top w0.3: v2(19.71,7.82) 19.56,7.97 18.78,7.97 18.05,7.25 D301.1 ; J301.A7 27.55,5.15 27.3,4.9 26.77,4.9 26.55,5.12 J301.B7 26.57,6 26.57,6.94 v2(26.42,7.09)
  Bottom w0.3: v2(26.42,7.09) 26.57,7.24 26.57,8.25 25.95,8.88 24.59,8.88 23.69,7.97 19.86,7.97 v2(19.71,7.82)
/TP_INT: length 42.8
  Top w0.3: v2(25.49,42.5) 22.45,42.5 21.65,43.3 21.65,46.17 23.07,47.59 28.34,47.59 29.4,48.65 29.4,71.5 v2(29.6,71.7)
  Bottom w0.3: U201.25 30.39,72.49 v2(29.6,71.7) ; v2(25.49,42.5) 25.5,42.51 J701.17
/USB_D+: length 95.8
  Top w0.3: D301.4 13.25,9.15 12.52,8.42 9.51,8.42 8.4,9.54 8.4,12.78 9.88,14.26 9.88,15.58 TP107.1 9.88,17.22 9.88,18.72 8.4,20.2 8.4,60.43 17.68,69.71 17.68,70.9 v2(17.82,71.05)
  Bottom w0.3: U201.14 30.96,86.66 30.55,86.25 30.55,84.61 17.68,71.74 17.68,71.2 v2(17.82,71.05)
/USB_D-: length 96.6
  Top w0.3: v2(17.07,71.05) 17.22,70.9 17.22,69.89 7.95,60.62 7.95,19.95 9.42,18.48 9.42,17.22 TP106.1 9.42,15.58 9.42,14.44 7.95,12.97 7.95,9.35 9.32,7.97 12.52,7.97 13.25,7.25 D301.6
  Bottom w0.3: v2(17.07,71.05) 17.22,71.2 17.22,71.92 30.1,84.8 30.1,86.25 29.69,86.66 U201.13
/~{LCD_RESET}: length 32.7
  Bottom w0.2: J701.8 28.2,45.81 27.89,45.5 26.1,45.5 25.8,45.8 J701.16
  Bottom w0.3: J701.8 28.2,46.8 27.55,47.45 27.55,48.75 30.25,51.45 30.25,60.65 26.05,64.85 20.91,64.85 19.7,66.06 Q101.D
  vias: v2(27.4,63.5)
Net-(D302-PadA1): length 3.7
  Bottom w0.3: D302.A1 34.71,50.39 R308.1 R309.1 37.1,50.29 Q301.G1
Net-(D501-DIN): length 1.7
  Top w0.3: D501.3 R502.2
Net-(D512-DOUT): length 5.6
  Top w0.3: D513.3 26.95,8.25 27.3,7.9 30.55,7.9 31.25,8.6 D512.2 31.1,9.09
Net-(D1201-A): length 12.4
  Top w0.3: 70,69.82 70,69.77 69.03,68.8 61.35,68.8 60.25,67.7 D1201.2
Net-(D1201-K): length 1.2
  Top w0.3: D1201.1 60.25,64.41 59.05,64.41
Net-(E501-A): length 5.1
  Bottom w0.3: R504.1 R508.1 31.87,27.35 D525.1 E501.A1
Net-(E501-B): length 5
  Bottom w0.3: R505.1 R507.1 22.83,27.35 D526.1 E501.B1
Net-(E501-NO): length 5.4
  Bottom w0.3: E501.2 24.8,18.12 ; 24.95,20.34 24.95,18.42 C503.1 24.8,18.27
Net-(IC501-VDDCORE): length 1.8
  Bottom w0.3: IC501.43 41.15,80.54 40.69,81 C528.1
Net-(J301-CC1): length 5.1
  Top w0.254: v2(25.7,1.9) 26.05,2.25 J301.A5
  Bottom w0.254: v2(25.7,1.9) 26.45,1.9 R303.1
Net-(J301-CC2): length 2.2
  Top w0.254: J301.B5 29.05,6.7 v2(28.65,7.1)
  Bottom w0.3: R302.1 28.81,7.26 v2(28.65,7.1)
Net-(R405-Pad2): length 2
  Bottom w0.3: R406.1 R407.1 38.5,40.41 38.5,41.19 R405.2
Net-(U402-PROG): length 2
  Bottom w0.3: U402.6 40.9,38.73 R401.2
Net-(U402-THERM): length 1.4
  Bottom w0.3: R405.1 U402.8
Net-(U801-BOOTN): length 1.4
  Bottom w0.254: U801.4 44.57,62.25 44.96,61.86 R801.2
Net-(U801-CAP): length 1.3
  Bottom w0.254: U801.9 C801.1
Net-(U1001-GAIN): length 3.5
  Bottom w0.3: U1001.2 10.25,42.65 9.25,41.65 TP1001.1
Net-(U1102-XCLK): length 8.8
  Top w0.2: X1101.3 60.47,93.77 v2(59.55,92.85)
  Bottom w0.2: U1102.13 57.75,91.05 v2(59.55,92.85)
Net-(U1201-RX): length 3.6
  Top w0.3: 66.8,69.82 64.97,69.82 64.6,70.2 TP1203.1
Net-(U1201-TX): length 9
  Top w0.3: TP1202.1 61.35,70.85 61.7,71.2 68,71.2 68.4,70.8 68.4,69.82
Net-(U1201-VBACKUP): length 29.2
  Top w0.5: C1203.1 72.03,60.57 U1201.9 v1(72.95,61.7)
  Bottom w0.5: C1204.1 57.5,69.7 72.65,69.7 73.95,68.4 73.95,62.7 v1(72.95,61.7)
unconnected-(J301-SHELL_GND__1-PadSH2): length 0
  Bottom w0.254: J301.SH2 31.62,5.4
Net-(D501-DOUT): length 2.8
  Top w0.3: D502.3 arc(28.58,31.62) D501.2
Net-(D502-DOUT): length 5.9
  Top w0.3: D502.2 arc(33.02,35.71) D503.3
Net-(D503-DOUT): length 2.8
  Top w0.3: 34.59,29.67 arc(33.27,29.67) D503.2
Net-(D504-DOUT): length 5.9
  Top w0.3: D504.2 arc(39.15,31) D505.3
Net-(D505-DOUT): length 2.8
  Top w0.3: D506.3 arc(36.36,25.65) D505.2
Net-(D506-DOUT): length 5.9
  Top w0.3: D506.2 arc(42.12,23.85) D507.3
Net-(D507-DOUT): length 2.8
  Top w0.3: D508.3 arc(37.02,20.62) D507.2
Net-(D508-DOUT): length 5.9
  Top w0.3: D508.2 arc(41.11,16.18) D509.3
Net-(D509-DOUT): length 2.8
  Top w0.3: D510.3 arc(35.08,15.93) D509.2
Net-(D510-DOUT): length 5.9
  Top w0.3: D510.2 arc(36.4,10.05) D511.3
Net-(D511-DOUT): length 2.8
  Top w0.3: D512.3 arc(31.05,12.84) D511.2
Net-(D513-DOUT): length 2.8
  Top w0.3: D514.3 arc(26.02,12.18) D513.2
Net-(D514-DOUT): length 5.9
  Top w0.3: D514.2 arc(21.58,8.09) D515.3
Net-(D515-DOUT): length 2.8
  Top w0.3: D516.3 arc(21.33,14.12) D515.2
Net-(D516-DOUT): length 5.9
  Top w0.3: D516.2 arc(15.45,12.8) D517.3
Net-(D517-DOUT): length 2.8
  Top w0.3: D518.3 arc(18.24,18.15) D517.2
Net-(D518-DOUT): length 5.9
  Top w0.3: D518.2 arc(12.48,19.95) D519.3
Net-(D519-DOUT): length 2.8
  Top w0.3: D520.3 arc(17.58,23.18) D519.2
Net-(D520-DOUT): length 5.9
  Top w0.3: D520.2 arc(13.49,27.62) D521.3
Net-(D521-DOUT): length 2.8
  Top w0.3: D522.3 arc(19.52,27.87) D521.2
Net-(D522-DOUT): length 5.9
  Top w0.3: D522.2 arc(18.2,33.75) D523.3
Net-(D523-DOUT): length 2.8
  Top w0.3: D524.3 arc(23.55,30.96) D523.2

## Copper pours and planes (outline as drawn; the poured copper is in the pictures)
+3V3 on Bottom: 43.45,46.4 45.35,46.4 45.35,45 43.45,45
+3V3 on Bottom: 16.3,86.1 16.3,89.6 16.6,90.3 17.4,90.3 17.4,91.3 16.6,91.3 16.6,92.5 15.1,92.5 15.1,86.1
+3V3 on Bottom: 43.6,50.8 46.25,50.8 46.25,55.9 43.6,55.9
+5V on Top: 28.6,5.2 29.3,5.2 29.3,7.5 30.1,7.5 30.1,3.8 28.6,3.8
+5V on Top: 26,5.2 25.3,5.2 25.3,7.5 24.5,7.5 24.5,3.8 26,3.8
+5V on Bottom: 42.9,44.3 42.9,41.5 45.2,41.5 45.2,44.3
+5V on Bottom: 41.8,43.7 41.8,45.3 38.7,45.3 38.7,43.7
+5V on Bottom, In1.Cu: 24.5,7.5 24.5,3.8 30.1,3.8 30.1,7.5
GND on Top: 36.55,40.35 33.8,40.35 33.8,44.1 35.6,44.1 36.55,42.2
GND on Top, Bottom, In1.Cu, In2.Cu: 49.6,77.1 49.6,53.3 77.6,53.3 77.6,77.1
GND on Top, Bottom, In1.Cu, In2.Cu: 77.6,51.35 49.6,51.3 49.6,7.8 77.6,7.8
GND on Top, Bottom, In1.Cu, In2.Cu: 49.6,102.9 49.6,79.1 77.6,79.1 77.6,102.85
GND on Top, Bottom, In1.Cu, In2.Cu: 7,102.9 47.6,102.9 47.6,0 7,0
GND on Bottom: 38.36,50.5 38.36,48.9 42.3,48.9 42.3,44.5 47.2,44.5 47.2,50.5
GND on Bottom: 34.6,42.7 33.6,42.7 33.6,40.7 34.4,40.7 34.4,41 36.3,41 36.3,44 34.6,44
GND on Bottom: 45.45,46.4 46.45,46.4 46.45,45 45.45,45
VBUS on Bottom: 37.26,49.72 37.26,47.82 42.76,47.82 42.76,48.82 38.26,48.82 38.26,49.72
+BATT on Top: 33.9,40.35 33.9,38 36.56,38 36.56,40.35
+BATT on Bottom: 36.5,40.7 36.5,43.6 35.4,43.6 35.4,45.5 38.3,45.5 38.3,42.9 41.4,42.9 41.4,41.6 37.9,41.6 37.9,38 34.45,38 34.45,40.7
/Supply/BUCK_FB on Bottom: 43.45,46.7 43.45,48.1 46.45,48.1 46.45,46.7
/Supply/BUCK_SW on Bottom: 41.73,50.7 41.73,52.9 41.93,53.1 42.53,53.1 42.53,55.9 40.73,55.9 40.73,53.1 41.23,53.1 41.43,52.9 41.43,50.7
VDC on Bottom: 33.54,47.6 33.54,46.3 37.3,46.3 37.3,44.45 39.65,44.45 39.65,47.6
Net-(C305-Pad2) on Bottom: 33.54,48.5 34.1,48.5 34.1,49.6 36.2,49.6 36.2,48.8 37.2,48.8 37.2,47.7 37.5,47.7 37.5,47 36.2,47 36.2,47.6 33.54,47.6

Small or netless copper shapes (teardrops, artwork), in the pictures only: 339 on Top, 420 on Bottom, 2 on In1.Cu

## Text on the board
B.Silkscreen: USB | ENC B | SW ENC | PWR | ~{RST} | SWCLK | SWDIO | GND | D- | D+ | I2C module TP | SWD | RST | MODULE SOCKET | SDA | SCL | 3V3 | ENC A | SD | GAIN | RF ZONE | REMOVE BEFORE USE | be a maker | MQ1 | EVT-PCB
F.Silkscreen: GPIO21 | GPIO8 | GPIO46 | GPIO3 | GPIO18 | GPIO17 | GPIO7 | GPIO6 | GPIO5 | GPIO4 | 3V3 | GND | PA16 | PA15 | PA03 | PA02 | PA08 | PA13 | PA14 | GPIO47 | GPIO15 | GPIO16 | TX | 2V8 | 1V5 | I2S test points | LCD test points | main I2C TP | D- | USB | DOUT | D+ | CS | MISO | BCLK | DIN | LRCLK | RS | MOSI | INT | BATT | RX | SD test points | CLK | SDA | ~{RST} | SCL | EEPROM | + | RF ZONE | we're all stories in the end, / just make it a good one | REMOVE BEFORE USE
